# Altium PCB Electronic Load 20251104.PcbDoc (part 4 of 4)
Units mm, origin at the board's own origin, x right, y up, seen from the top; angles counter-clockwise.
Board outline 206 x 70 mm, 6 copper layers (L1, L2, L3, L4, L5, L6), stack 1.609 mm thick; 684 components, 363 nets, 1727 pads, 147 vias.
Unrouted connection lines stored in the file: 1081.
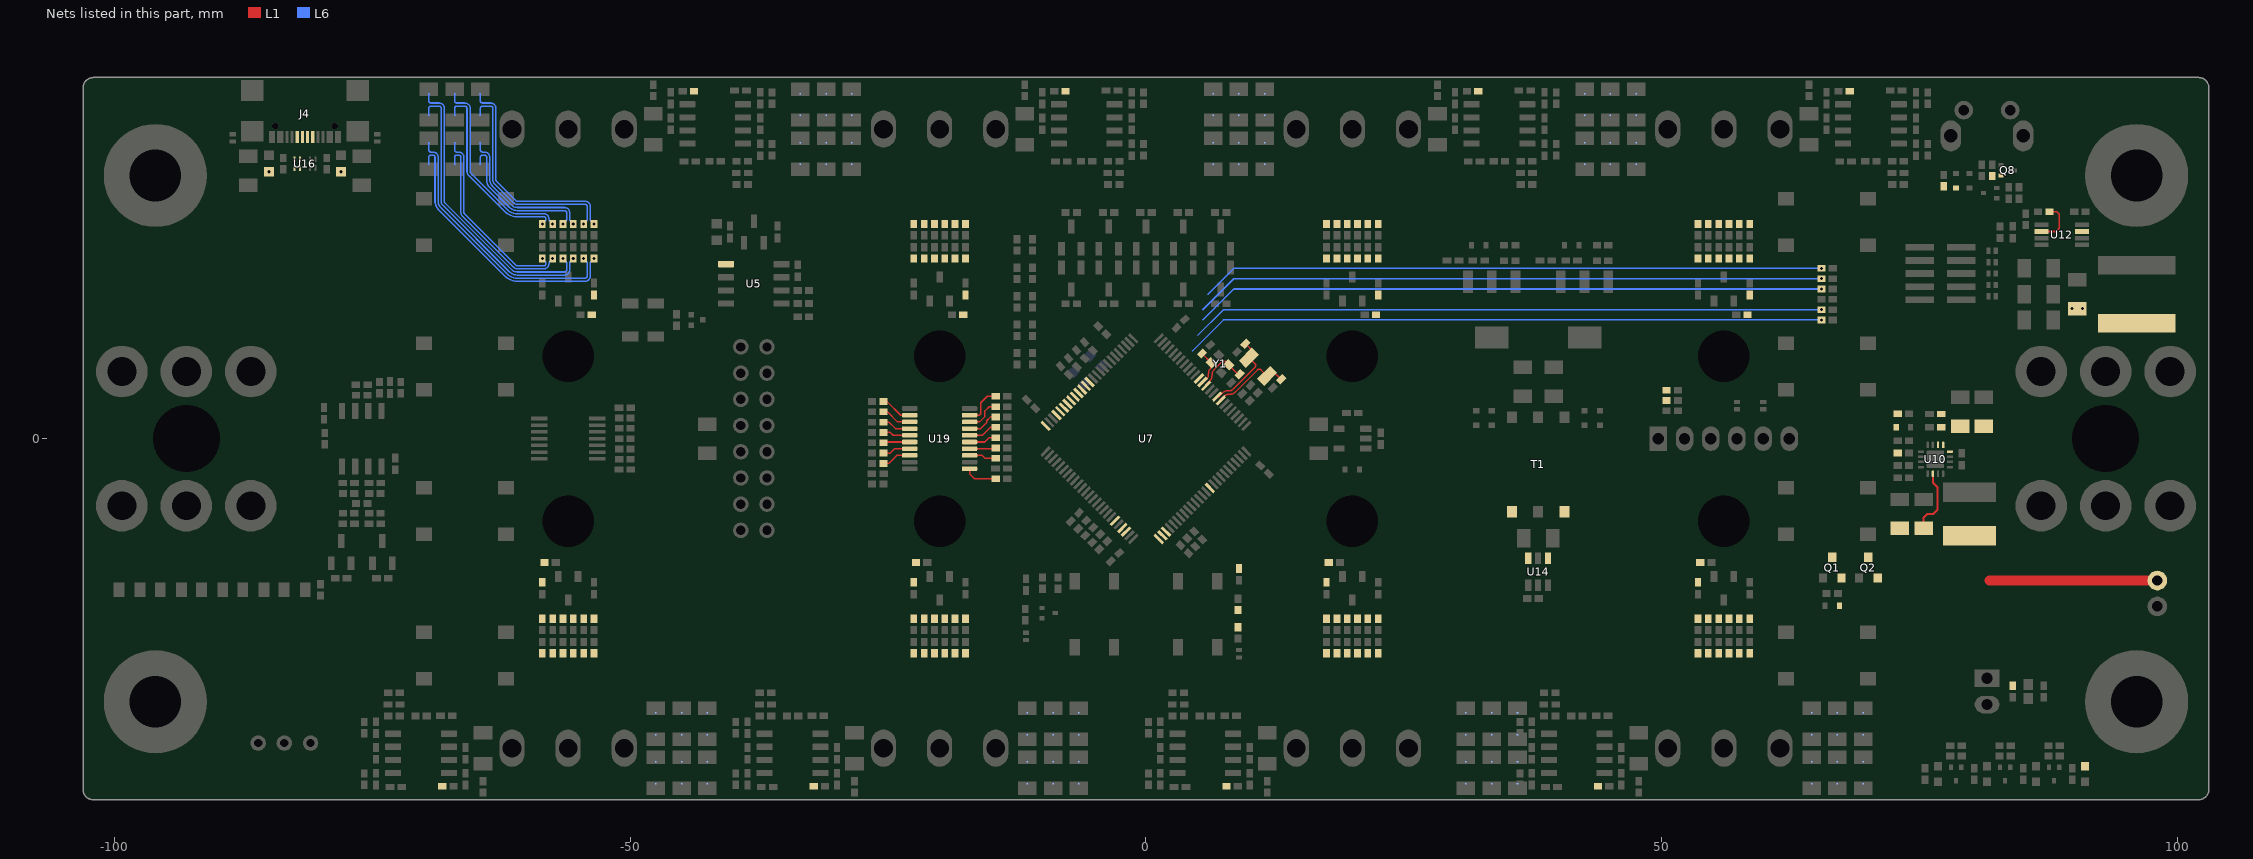
[diagram p5: the nets of this part, all layers, seen from the top]

## Via types
v1: diameter 0.6, hole 0.3, L1 to L6, 147 vias

## Nets (pads, with @x,y where several pads share a name; then routed paths per layer and width w, separated by ;. In a path a pad name is that pad's centre, name@x,y a point inside that pad or via, vN(x,y) a via of type N, cw(c..) or ccw(c..) an arc to the next point about the centre after c; other vN are vias at no path point) (continued)
NetR138_1: R138.1 U19.1 | length 3.3
  L1 w0.15: U19.1@-17.1,-2.925 -17.1,-3.4 -16.6,-3.9 R138.1@-14.525,-3.9
NetR139_2: R139.2 U19.18 | length 2.9
  L1 w0.15: R139.2@-25.45,-2.4 -24.931,-2.4 -24.156,-1.625 U19.18@-22.9,-1.625
NetR140_1: R140.1 U19.3 | length 2.7
  L1 w0.15: U19.3@-17.1,-1.625 -15.875,-1.625 -15.6,-1.9 R140.1@-14.55,-1.9
NetR141_2: R141.2 U19.17 | length 2.7
  L1 w0.15: R141.2@-25.45,-1.4 -24.787,-1.4 -24.362,-0.975 U19.17@-22.9,-0.975
NetR142_1: R142.1 U19.4 | length 2.6
  L1 w0.15: U19.4@-17.1,-0.975 -14.625,-0.975 R142.1@-14.55,-0.9
NetR143_2: R143.2 U19.16 | length 2.6
  L1 w0.15: R143.2@-25.45,-0.4 -25.375,-0.325 U19.16@-22.9,-0.325
NetR144_1: R144.1 U19.5 | length 2.7
  L1 w0.15: U19.5@-17.1,-0.325 -15.615,-0.325 -15.19,0.1 R144.1@-14.55,0.1
NetR145_2: R145.2 U19.15 | length 2.7
  L1 w0.15: R145.2@-25.45,0.6 -24.777,0.6 -24.502,0.325 U19.15@-22.9,0.325
NetR146_1: R146.1 U19.6 | length 2.9
  L1 w0.15: U19.6@-17.1,0.325 -15.847,0.325 -15.072,1.1 R146.1@-14.55,1.1
NetR147_2: R147.2 U19.14 | length 2.8
  L1 w0.15: R147.2@-25.45,1.6 -24.906,1.6 -24.281,0.975 U19.14@-22.9,0.975
NetR148_1: R148.1 U19.7 | length 3.1
  L1 w0.15: U19.7@-17.1,0.975 -16.021,0.975 -15.422,1.574 -15.422,1.735 -15.057,2.1 R148.1@-14.55,2.1
NetR149_2: R149.2 U19.13 | length 3
  L1 w0.15: R149.2@-25.45,2.6 -25.05,2.6 -24.075,1.625 U19.13@-22.9,1.625
NetR150_1: R150.1 U19.8 | length 3.5
  L1 w0.15: U19.8@-17.1,1.625 -16.13,1.625 -15.614,2.14 -15.614,2.686 -15.2,3.1 R150.1@-14.55,3.1
NetR151_2: R151.2 U19.12 | length 3.1
  L1 w0.15: R151.2@-25.45,3.6 -25.1,3.6 -23.775,2.275 U19.12@-22.9,2.275
NetR152_1: R152.1 U19.9 | length 3.9
  L1 w0.15: U19.9@-17.1,2.275 -16.14,2.275 -16.004,2.41 -16.004,3.486 -15.39,4.1 R152.1@-14.55,4.1
NetR180_2: R180.2 U12.6 | length 4.3
  L1 w0.15: U12.6@86.775,20.075 88.175,20.075 88.5,20.4 88.5,21.75 88.25,22 R180.2@87.55,22
NetT1_1: T1.1 U14.3
NetT1_3: T1.3 U14.1
NetU5_1: R33_ICC1.1 R33_ICC2.1 R33_ICC3.1 R33_ICC4.1 R33_ICC5.1 R33_ICC6.1 R33_ICC7.1 R33_ICC8.1 U5.1
OSC32_IN: C38.2 U7.8 Y2.1 | length 7.8
  L1 w0.15: U7.8@7.202,3.758 7.58,4.137 cw(c7.934,3.783) 7.934,4.283 8.068,4.283 ccw(c8.068,5.133) 8.669,4.532 10.801,6.664 cw(c10.978,6.488) 11.155,6.664 Y2.1@11.738,6.081 12.074,6.417 cw(c12.251,6.24) 12.427,6.417 C38.2@13.099,5.745
OSC32_OUT: C37.2 U7.9 Y2.2 | length 7.8
  L1 w0.15: U7.9@6.954,4.006 7.332,4.384 cw(c7.934,3.783) 7.934,4.633 8.068,4.633 ccw(c8.068,5.133) 8.421,4.779 10.554,6.912 ccw(c10.377,7.089) 10.554,7.266 Y2.2@9.97,7.849 10.306,8.185 ccw(c10.129,8.362) 10.306,8.538 C37.2@9.634,9.21
OSC_IN: C35.2 U7.12 Y1.1 | length 5.1
  L1 w0.15: U7.12@5.774,5.187 6.152,5.565 ccw(c5.551,6.166) 6.401,6.166 6.401,6.264 cw(c6.901,6.264) 6.547,6.618 7.372,7.442 cw(c7.548,7.266) 7.725,7.442 Y1.1@8.026,7.142 8.927,6.24 C35.2@9.069,6.24
OSC_OUT: C36.2 U7.13 Y1.3 | length 3.6
  L1 w0.15: C36.2@5.427,8.255 Y1.3@6.329,7.354 6.382,7.301 cw(c6.205,7.124) 6.382,6.947 6.3,6.865 ccw(c6.901,6.264) 6.051,6.264 6.051,6.166 cw(c5.551,6.166) 5.904,5.812 U7.13@5.526,5.434
PMID: C55.2 C67.2 L1.1 Q1.2 Q2.2 Q8.2 R176.1 U10.16 U12.3
  other v1: 89.75,12.6 90.75,12.6
PROG.RST_N: C39.2 R94.1 R95.2 R173.1 U7.14 | length 62.2
  L6 w0.15: 4.5,8.5 7.5,11.5 v1(65.45,11.5)
PROG.SWCLK: R169.1 U7.77 | length 61.2
  L6 w0.15: 5.5,12.5 8.5,15.5 v1(65.45,15.5)
PROG.SWDIO: R168.1 U7.76 | length 60.5
  L6 w0.15: 6,14 8.5,16.5 v1(65.45,16.5)
PROG.SWO: R170.1 U7.90 | length 61.2
  L6 w0.15: 5.5,11.5 8.5,14.5 v1(65.45,14.5)
PROG.TDI: R171.1 U7.78 | length 61.5
  L6 w0.15: 5,10 7.5,12.5 v1(65.45,12.5)
PWR: D31.2 R117.1 U7.70
REGN: C53.2 C64.2 R114.2 U10.2
SHUNT.SH1_CS1_N: NT12_CS1.1 R26_ICC1.2 | length 26.3
  L6 w0.15: NT12_CS1.1@-69.5,26.575 -69.5,27.275 cw(c-69.3,27.275) -69.3,27.475 -69.1,27.475 cw(c-69.1,27.275) -68.9,27.275 -68.9,22.984 ccw(c-67.8,22.984) -68.578,22.206 -62.119,15.748 ccw(c-60.917,16.95) -60.917,15.25 -54.35,15.25 ccw(c-54.35,15.75) -53.85,15.75 -53.85,17.017 cw(c-53.65,17.017) -53.791,17.159 v1(-53.5,17.45)
SHUNT.SH1_CS1_P: NT11_CS1.1 R31_ICC1.2 | length 21.2
  L6 w0.15: NT11_CS1.1@-64.5,31.325 -64.5,32.025 cw(c-64.3,32.025) -64.3,32.225 -63.5,32.225 cw(c-63.5,32.025) -63.3,32.025 -63.3,25.083 ccw(c-62.8,25.083) -63.154,24.729 -61.271,22.846 ccw(c-60.917,23.2) -60.917,22.7 -54.35,22.7 cw(c-54.35,22.5) -54.15,22.5 -54.15,21.233 cw(c-54.35,21.233) -54.208,21.092 v1(-54.5,20.8)
SHUNT.SH1_CS2_N: NT12_CS2.1 R26_ICC2.2
SHUNT.SH1_CS2_P: NT11_CS2.1 R31_ICC2.2
SHUNT.SH1_CS3_N: NT12_CS3.1 R26_ICC3.2
SHUNT.SH1_CS3_P: NT11_CS3.1 R31_ICC3.2
SHUNT.SH1_CS4_N: NT12_CS4.1 R26_ICC4.2
SHUNT.SH1_CS4_P: NT11_CS4.1 R31_ICC4.2
SHUNT.SH1_CS5_N: NT12_CS5.1 R26_ICC5.2
SHUNT.SH1_CS5_P: NT11_CS5.1 R31_ICC5.2
SHUNT.SH1_CS6_N: NT12_CS6.1 R26_ICC6.2
SHUNT.SH1_CS6_P: NT11_CS6.1 R31_ICC6.2
SHUNT.SH1_CS7_N: NT12_CS7.1 R26_ICC7.2
SHUNT.SH1_CS7_P: NT11_CS7.1 R31_ICC7.2
SHUNT.SH1_CS8_N: NT12_CS8.1 R26_ICC8.2
SHUNT.SH1_CS8_P: NT11_CS8.1 R31_ICC8.2
SHUNT.SH2_CS1_N: NT10_CS1.1 R27_ICC1.2 | length 18.7
  L6 w0.15: NT10_CS1.1@-67,26.575 -67,27.275 cw(c-66.8,27.275) -66.8,27.475 -66.6,27.475 cw(c-66.6,27.275) -66.4,27.275 -66.4,21.933 ccw(c-65.9,21.933) -66.254,21.579 -61.271,16.596 ccw(c-60.917,16.95) -60.917,16.45 -58.35,16.45 ccw(c-58.35,16.95) -57.85,16.95 -57.85,17.017 cw(c-57.65,17.017) -57.791,17.159 v1(-57.5,17.45)
SHUNT.SH2_CS1_P: NT9_CS1.1 R32_ICC1.2 | length 18.5
  L6 w0.15: NT9_CS1.1@-67,31.325 -67,32.025 cw(c-66.8,32.025) -66.8,32.225 -66,32.225 cw(c-66,32.025) -65.8,32.025 -65.8,25.886 ccw(c-65.3,25.886) -65.654,25.532 -62.119,21.998 ccw(c-60.917,23.2) -60.917,21.5 -58.35,21.5 cw(c-58.35,21.3) -58.15,21.3 -58.15,21.233 cw(c-58.35,21.233) -58.209,21.091 v1(-58.5,20.8)
SHUNT.SH2_CS2_N: NT10_CS2.1 R27_ICC2.2
SHUNT.SH2_CS2_P: NT9_CS2.1 R32_ICC2.2
SHUNT.SH2_CS3_N: NT10_CS3.1 R27_ICC3.2
SHUNT.SH2_CS3_P: NT9_CS3.1 R32_ICC3.2
SHUNT.SH2_CS4_N: NT10_CS4.1 R27_ICC4.2
SHUNT.SH2_CS4_P: NT9_CS4.1 R32_ICC4.2
SHUNT.SH2_CS5_N: NT10_CS5.1 R27_ICC5.2
SHUNT.SH2_CS5_P: NT9_CS5.1 R32_ICC5.2
SHUNT.SH2_CS6_N: NT10_CS6.1 R27_ICC6.2
SHUNT.SH2_CS6_P: NT9_CS6.1 R32_ICC6.2
SHUNT.SH2_CS7_N: NT10_CS7.1 R27_ICC7.2
SHUNT.SH2_CS7_P: NT9_CS7.1 R32_ICC7.2
SHUNT.SH2_CS8_N: NT10_CS8.1 R27_ICC8.2
SHUNT.SH2_CS8_P: NT9_CS8.1 R32_ICC8.2
SHUNT.SH3_CS1_N: NT8_CS1.1 R28_ICC1.2 | length 14.2
  L6 w0.15: NT8_CS1.1@-64.5,26.575 -64.5,27.275 cw(c-64.3,27.275) -64.3,27.475 -64.1,27.475 cw(c-64.1,27.275) -63.9,27.275 -63.9,25.083 ccw(c-62.8,25.083) -63.578,24.305 -61.695,22.422 ccw(c-60.917,23.2) -60.917,22.1 -56.35,22.1 cw(c-56.35,21.9) -56.15,21.9 -56.15,21.233 cw(c-56.35,21.233) -56.209,21.091 v1(-56.5,20.8)
SHUNT.SH3_CS1_P: NT7_CS1.1 R35_ICC1.2 | length 28.1
  L6 w0.15: NT7_CS1.1@-69.5,31.325 -69.5,32.025 cw(c-69.3,32.025) -69.3,32.225 -68.5,32.225 cw(c-68.5,32.025) -68.3,32.025 -68.3,22.984 ccw(c-67.8,22.984) -68.154,22.631 -61.695,16.172 ccw(c-60.917,16.95) -60.917,15.85 -56.35,15.85 ccw(c-56.35,16.35) -55.85,16.35 -55.85,17.017 cw(c-55.65,17.017) -55.791,17.159 v1(-55.5,17.45)
SHUNT.SH3_CS2_N: NT8_CS2.1 R28_ICC2.2
SHUNT.SH3_CS2_P: NT7_CS2.1 R35_ICC2.2
SHUNT.SH3_CS3_N: NT8_CS3.1 R28_ICC3.2
SHUNT.SH3_CS3_P: NT7_CS3.1 R35_ICC3.2
SHUNT.SH3_CS4_N: NT8_CS4.1 R28_ICC4.2
SHUNT.SH3_CS4_P: NT7_CS4.1 R35_ICC4.2
SHUNT.SH3_CS5_N: NT8_CS5.1 R28_ICC5.2
SHUNT.SH3_CS5_P: NT7_CS5.1 R35_ICC5.2
SHUNT.SH3_CS6_N: NT8_CS6.1 R28_ICC6.2
SHUNT.SH3_CS6_P: NT7_CS6.1 R35_ICC6.2
SHUNT.SH3_CS7_N: NT8_CS7.1 R28_ICC7.2
SHUNT.SH3_CS7_P: NT7_CS7.1 R35_ICC7.2
SHUNT.SH3_CS8_N: NT8_CS8.1 R28_ICC8.2
SHUNT.SH3_CS8_P: NT7_CS8.1 R35_ICC8.2
SHUNT.SH4_CS1_N: NT6_CS1.1 R29_ICC1.2 | length 27.7
  L6 w0.15: NT6_CS1.1@-69.5,33.425 -69.5,32.725 ccw(c-69.3,32.725) -69.3,32.525 -68.5,32.525 cw(c-68.5,32.025) -68,32.025 -68,22.984 ccw(c-67.8,22.984) -67.941,22.843 -61.483,16.384 ccw(c-60.917,16.95) -60.917,16.15 -56.35,16.15 ccw(c-56.35,16.35) -56.15,16.35 -56.15,17.017 ccw(c-56.35,17.017) -56.209,17.159 v1(-56.5,17.45)
SHUNT.SH4_CS1_P: NT5_CS1.1 R36_ICC1.2 | length 25.9
  L6 w0.15: NT5_CS1.1@-69.5,28.675 -69.5,27.975 ccw(c-69.3,27.975) -69.3,27.775 -69.1,27.775 cw(c-69.1,27.275) -68.6,27.275 -68.6,22.984 ccw(c-67.8,22.984) -68.366,22.419 -61.907,15.96 ccw(c-60.917,16.95) -60.917,15.55 -54.35,15.55 ccw(c-54.35,15.75) -54.15,15.75 -54.15,17.017 ccw(c-54.35,17.017) -54.208,17.158 v1(-54.5,17.45)
SHUNT.SH4_CS2_N: NT6_CS2.1 R29_ICC2.2
SHUNT.SH4_CS2_P: NT5_CS2.1 R36_ICC2.2
SHUNT.SH4_CS3_N: NT6_CS3.1 R29_ICC3.2
SHUNT.SH4_CS3_P: NT5_CS3.1 R36_ICC3.2
SHUNT.SH4_CS4_N: NT6_CS4.1 R29_ICC4.2
SHUNT.SH4_CS4_P: NT5_CS4.1 R36_ICC4.2
SHUNT.SH4_CS5_N: NT6_CS5.1 R29_ICC5.2
SHUNT.SH4_CS5_P: NT5_CS5.1 R36_ICC5.2
SHUNT.SH4_CS6_N: NT6_CS6.1 R29_ICC6.2
SHUNT.SH4_CS6_P: NT5_CS6.1 R36_ICC6.2
SHUNT.SH4_CS7_N: NT6_CS7.1 R29_ICC7.2
SHUNT.SH4_CS7_P: NT5_CS7.1 R36_ICC7.2
SHUNT.SH4_CS8_N: NT6_CS8.1 R29_ICC8.2
SHUNT.SH4_CS8_P: NT5_CS8.1 R36_ICC8.2
SHUNT.SH5_CS1_N: NT4_CS1.1 R3_ICC1.2 | length 19
  L6 w0.15: NT4_CS1.1@-67,33.425 -67,32.725 ccw(c-66.8,32.725) -66.8,32.525 -66,32.525 cw(c-66,32.025) -65.5,32.025 -65.5,25.886 ccw(c-65.3,25.886) -65.441,25.744 -61.907,22.21 ccw(c-60.917,23.2) -60.917,21.8 -58.35,21.8 cw(c-58.35,21.3) -57.85,21.3 -57.85,21.233 ccw(c-57.65,21.233) -57.791,21.091 v1(-57.5,20.8)
SHUNT.SH5_CS1_P: NT3_CS1.1 R4_ICC1.2 | length 18.2
  L6 w0.15: NT3_CS1.1@-67,28.675 -67,27.975 ccw(c-66.8,27.975) -66.8,27.775 -66.6,27.775 cw(c-66.6,27.275) -66.1,27.275 -66.1,21.933 ccw(c-65.9,21.933) -66.041,21.791 -61.059,16.809 ccw(c-60.917,16.95) -60.917,16.75 -58.35,16.75 ccw(c-58.35,16.95) -58.15,16.95 -58.15,17.017 ccw(c-58.35,17.017) -58.209,17.159 v1(-58.5,17.45)
SHUNT.SH5_CS2_N: NT4_CS2.1 R3_ICC2.2
SHUNT.SH5_CS2_P: NT3_CS2.1 R4_ICC2.2
SHUNT.SH5_CS3_N: NT4_CS3.1 R3_ICC3.2
SHUNT.SH5_CS3_P: NT3_CS3.1 R4_ICC3.2
SHUNT.SH5_CS4_N: NT4_CS4.1 R3_ICC4.2
SHUNT.SH5_CS4_P: NT3_CS4.1 R4_ICC4.2
SHUNT.SH5_CS5_N: NT4_CS5.1 R3_ICC5.2
SHUNT.SH5_CS5_P: NT3_CS5.1 R4_ICC5.2
SHUNT.SH5_CS6_N: NT4_CS6.1 R3_ICC6.2
SHUNT.SH5_CS6_P: NT3_CS6.1 R4_ICC6.2
SHUNT.SH5_CS7_N: NT4_CS7.1 R3_ICC7.2
SHUNT.SH5_CS7_P: NT3_CS7.1 R4_ICC7.2
SHUNT.SH5_CS8_N: NT4_CS8.1 R3_ICC8.2
SHUNT.SH5_CS8_P: NT3_CS8.1 R4_ICC8.2
SHUNT.SH6_CS1_N: NT2_CS1.1 R7_ICC1.2 | length 21.7
  L6 w0.15: NT2_CS1.1@-64.5,33.425 -64.5,32.725 ccw(c-64.3,32.725) -64.3,32.525 -63.5,32.525 cw(c-63.5,32.025) -63,32.025 -63,25.083 ccw(c-62.8,25.083) -62.941,24.941 -61.059,23.059 ccw(c-60.917,23.2) -60.917,23 -54.35,23 cw(c-54.35,22.5) -53.85,22.5 -53.85,21.233 ccw(c-53.65,21.233) -53.791,21.091 v1(-53.5,20.8)
SHUNT.SH6_CS1_P: NT1_CS1.1 R8_ICC1.2 | length 14.7
  L6 w0.15: NT1_CS1.1@-64.5,28.675 -64.5,27.975 ccw(c-64.3,27.975) -64.3,27.775 -64.1,27.775 cw(c-64.1,27.275) -63.6,27.275 -63.6,25.083 ccw(c-62.8,25.083) -63.366,24.517 -61.483,22.634 ccw(c-60.917,23.2) -60.917,22.4 -56.35,22.4 cw(c-56.35,21.9) -55.85,21.9 -55.85,21.233 ccw(c-55.65,21.233) -55.791,21.091 v1(-55.5,20.8)
SHUNT.SH6_CS2_N: NT2_CS2.1 R7_ICC2.2
SHUNT.SH6_CS2_P: NT1_CS2.1 R8_ICC2.2
SHUNT.SH6_CS3_N: NT2_CS3.1 R7_ICC3.2
SHUNT.SH6_CS3_P: NT1_CS3.1 R8_ICC3.2
SHUNT.SH6_CS4_N: NT2_CS4.1 R7_ICC4.2
SHUNT.SH6_CS4_P: NT1_CS4.1 R8_ICC4.2
SHUNT.SH6_CS5_N: NT2_CS5.1 R7_ICC5.2
SHUNT.SH6_CS5_P: NT1_CS5.1 R8_ICC5.2
SHUNT.SH6_CS6_N: NT2_CS6.1 R7_ICC6.2
SHUNT.SH6_CS6_P: NT1_CS6.1 R8_ICC6.2
SHUNT.SH6_CS7_N: NT2_CS7.1 R7_ICC7.2
SHUNT.SH6_CS7_P: NT1_CS7.1 R8_ICC7.2
SHUNT.SH6_CS8_N: NT2_CS8.1 R7_ICC8.2
SHUNT.SH6_CS8_P: NT1_CS8.1 R8_ICC8.2
STAT: D12.2 R121.2 U7.50
TEMP.T1: C19_PT1.2 R83_PT1.1 U7.38
TEMP.T2: C19_PT2.2 R83_PT2.1 U7.39
TEMP.T3: C19_PT3.2 R83_PT3.1 U7.40
TEMP.T4: C19_PT4.2 R83_PT4.1 U7.41
TEMP.T5: C19_PT5.2 R83_PT5.1 U7.42
TEMP.T6: C19_PT6.2 R83_PT6.1 U7.43
TEMP.T7: C19_PT7.2 R83_PT7.1 U7.44
TEMP.T8: C19_PT8.2 R83_PT8.1 U7.45
UART.RXD: R175.2 U7.46
UART.TXD: R174.2 U7.47
USB.D_N: J4.A7 J4.B7 U7.72 U16.2 U16.9
USB.D_P: J4.A6 J4.B6 U7.73 U16.1 U16.10
VBATT: C68.2 C69.2 J3.1 L2.1 Q1.3 Q2.3 U10.10 | length 22.6
  L1 w0.2: C69.2@75.35,-8.7 75.35,-7.65 75.7,-7.3 76.3,-7.3 76.7,-6.9 76.7,-4.7 76.25,-4.25 U10.10@76.25,-3.4
  L1 w1: 81.75,-13.75 J3.1@98,-13.75
VUSB: C66.2 D3.2 D29.A FB3.2 FB4.2 R113.2 U10.1
  other v1: -85,25.86 -78,25.86
pads on no net: J1.7 J2.7 J4. J4.A8 J4.B8 J6.2 J6.6 U7.3 U7.4 U7.26 U7.28 U7.29 U7.32 U7.33 U7.34 U7.51 U7.52 U7.53 U7.54 U7.60 U7.61 U7.62 U7.69 U7.91 U7.92 U7.93 U7.94 U7.96 U7.97 U7.98 U18.6 U18.9

## Other copper
L1:
  region net COM: 86.1,10.6 86.1,19 89.8,19 89.8,16.05 91.15,16.05 91.15,13.5 89.1,13.5 89.1,11.15 88.55,10.6
  region net PMID: 67,-13.95 67.8,-13.95 67.8,-12.8 70.5,-12.8 70.5,-13.95 71.3,-13.95 71.3,-12.8 82.7,-12.8 84,-11.5 84,6.5 cw(c86.75,6.5) 86.75,9.25 99.25,9.25 100.5,10.5 100.5,18.5 ccw(c99.25,18.5) 99.25,19.75 92.5,19.75 91.95,20.3 90.05,20.3 90.05,19.85 91.65,19.85 91.65,19.25 99.25,19.25 cw(c99.25,18.5) 100,18.5 100,15.65 91.4,15.65 91.4,13.25 89.35,13.25 89.35,11.046 88.654,10.35 83.35,10.35 82.35,9.35 82.35,1.85 80.175,1.85 80.175,0.25 cw(c79.925,0.25) 79.925,0 78.75,0 ccw(c78.75,-1) 77.753,-0.92 cw(c77.504,-0.9) 77.626,-1.118 ccw(c77.65,-1.162) 77.6,-1.162 77.6,-1.32 ccw(c77.65,-1.32) 77.65,-1.37 78.5,-1.37 78.5,-1 cw(c78.75,-1) 78.75,-0.75 79.6,-0.75 79.6,-1.9 80.356,-1.9 82.602,-4.146 82.602,-10.6 77.356,-10.6 75.756,-12.2 67,-12.2
  region net VBATT: 66.1,-11.95 66.1,-11.05 70.95,-11.05 72.15,-9.85 72.15,-8.05 76.25,-8.05 76.65,-8.45 82.352,-8.45 82.352,-10.35 77.252,-10.35 75.652,-11.95
  region net VUSB: 77.13,-0.85 ccw(c77.18,-0.85) 77.18,-0.9 77.504,-0.9 cw(c78.75,-1) 78.75,0.25 79.925,0.25 79.925,1.85 78,1.85 78,0.815 77.13,-0.055
  region net REGN: 76.63,-0.85 ccw(c76.68,-0.85) 76.68,-0.9 76.82,-0.9 ccw(c76.82,-0.85) 76.87,-0.85 76.87,-0.051 cw(c77.12,-0.051) 76.943,0.126 77.5,0.683 77.5,2.7 76.63,2.7
  region net NetC65_1: 77.252,-6.15 77.252,-4.25 77.426,-4.25 77.62,-4.056 77.62,-2.918 77.6,-2.898 77.6,-2.18 cw(c77.65,-2.18) 77.65,-2.13 78.73,-2.13 78.75,-2.15 80.252,-2.15 82.352,-4.25 82.352,-6.15
  region net NetL1_2: 90.05,16.3 90.05,19 99.25,19 cw(c99.25,18.5) 99.75,18.5 99.75,15.9 91.4,15.9 91.4,16.3
  region: -48.65,27.85 -48.65,29.665 cw(c-48.15,29.665) -48.15,30.165 -46.535,30.165 -46.35,30.35 -45.75,30.35 -45.565,30.165 -44.45,30.165 -44.45,29.565 -45.685,29.565 -45.75,29.5 -46.35,29.5 ccw(c-46.35,29) -46.85,29 -46.85,27.85
  region net NetQ4_PT1_1: -51.78,30 -51.78,31.15 cw(c-50.78,31.15) -50.78,32.15 -46.85,32.15 -46.85,30.85 -48.15,30.85 ccw(c-48.15,29.665) -49.287,30
  region net +5V0: 84.45,10.6 84.45,18.65 84.55,18.75 84.55,19.65 87.45,19.65 87.45,19.2 86.1,19.2 86.05,19.25 85.85,19.25 85.85,10.6
  region net NetC14_ICC1_1: -46.35,30.65 -46.35,31.5 -45.75,31.5 -45.685,31.435 -44.45,31.435 -44.45,30.835 -45.565,30.835 -45.75,30.65
  region net NetNT1_CS1_2: -70.4,28.2 -70.4,31.8 -61.44,31.8 -61.44,28.2
L2:
  rectangle net COM: -107,-37.5 107,39

## Silkscreen, mask and mechanical layers (free items; w line width, h text height)
Top Overlay:
  lines w0.3: -101,-12 -99,-12 ; -101,12 -99,12 ; -100,-13 -100,-11 ; -100,11 -100,13 ; -98,-12 -96,-12 ; -98,12 -96,12 ; -97,-13 -97,-11 ; -97,11 -97,13 ; -95,-12 -93,-12 ; -95,12 -93,12 ; -94,-13 -94,-11 ; -94,11 -94,13 ; -92,-12 -90,-12 ; -92,12 -90,12 ; -91,-13 -91,-11 ; -91,11 -91,13 ; -89,-12 -87,-12 ; -89,12 -87,12 ; -88,-13 -88,-11 ; -88,11 -88,13 ; -86,-12 -84,-12 ; -86,12 -84,12 ; -85,-13 -85,-11 ; -85,11 -85,13 ; -83,-12 -81,-12 ; -83,-9 -81,-9 ; -83,-6 -81,-6 ; -83,-3 -81,-3 ; -83,0 -81,0 ; -83,3 -81,3 ; -83,6 -81,6 ; -83,9 -81,9 ; -83,12 -81,12 ; -82,-13 -82,-11 ; -82,-10 -82,-8 ; -82,-7 -82,-5 ; -82,-4 -82,-2 ; -82,-1 -82,1 ; -82,2 -82,4 ; -82,5 -82,7 ; -82,8 -82,10 ; -82,11 -82,13 ; 85,-16.5 87,-16.5 ; 85,-13.5 87,-13.5 ; 86,-14.5 86,-12.5 ; 88,-18.874 72,-18.937 72,-11.063 88,-11
  text "ON/OFF" at 86.7,31.316 h1.2
  text "PT1" at -57.914,24 h2
  text "PT3" at -22.342,24 h2
  text "PT5" at 17.658,24 h2
  text "PT7" at 53.658,24 h2
  text "DC Electronic Load" at -100.5,16.323 h4
  text "Rev A | Nov 2025 | JFOSTER" at -100.3,14.4 h1.2
  text "BK-" at -45.365,8.29 h1.2
  text "DB7" at -33.8,8.29 h1.2
  text "SWD PROG" at 72.675,7.4 h1.2
  text "BK+" at -45.365,5.75 h1.2
  text "DB6" at -33.8,5.75 h1.2
  text "CT" at -44.194,3.21 h1.2
  text "DB5" at -33.8,3.21 h1.2
  text "COM" at -47.502,0.67 h1.2
  text "DB4" at -33.8,0.67 h1.2
  text "+5V0" at -48.519,-1.87 h1.2
  text "DB3" at -33.8,-1.87 h1.2
  text "RS" at -44.068,-4.41 h1.2
  text "DB2" at -33.8,-4.41 h1.2
  text "R/W" at -45.291,-6.864 h1.2
  text "DB1" at -33.8,-6.95 h1.2
  text "E" at -42.943,-9.49 h1.2
  text "DB0" at -33.8,-9.49 h1.2
  text "1S LIPO" at 75.8,-15.75 h1.5
  text "BOOT0" at -7.599,-23.1 h1.2
  text "RST" at 3.532,-23.1 h1.2
  text "3380K" at 74.027,-25.1 h1.2
  text "PT2" at -58.342,-26 h2
  text "PT4" at -22.39,-26 h2
  text "PT6" at 17.705,-26 h2
  text "PT8" at 53.658,-26 h2
  text "LCD CONTRAST" at -89.807,-26.1 h1.2
Board Outline:
  circle w0.25: c96,-25.5 r2.5
  circle w0.25: c96,25.5 r2.5
  circle w0.25: c-96,25.5 r2.5
  circle w0.25: c-96,-25.5 r2.5
  circle w0.25: c-56,8 r2.5
  circle w0.25: c-56,-8 r2.5
  circle w0.25: c20,8 r2.5
  circle w0.25: c20,-8 r2.5
  circle w0.25: c56,-8 r2.5
  circle w0.25: c-20,-8 r2.5
  circle w0.25: c-20,8 r2.5
  circle w0.25: c56,8 r2.5
  lines w0.025: -106,-34 ccw(c-102,-34) -102,-38 102,-38 ccw(c102,-34) 106,-34 106,34 ccw(c102,34) 102,38 -102,38 ccw(c-102,34) -106,34 -106,-34 ; -103,-34 ccw(c-102,-34) -102,-35 102,-35 ccw(c102,-34) 103,-34 103,34 ccw(c102,34) 102,35 -102,35 ccw(c-102,34) -103,34 -103,-34
  text "Stackup JLC061611-7628" at -100.217,-46.034 h5
  text "SIG" at -91.785,-54.2 h5
  text "COM" at -93.879,-61.45 h5
  text "HV" at -91.261,-68.7 h5
  text "RTN" at -92.356,-77.2 h5
  text "COM" at -94.379,-86.2 h5
  text "SIG" at -91.785,-93.7 h5
Keepout Conductive:
  circle w0.15: c-86.75,6.5 r6.5
  circle w0.15: c-86.75,-6.5 r6.5
  circle w0.1: c-56,30 r6.5
Construction:
  lines w0.1: -120,-8 120,-8 ; -120,8 120,8 ; -106,-38 106,38 ; -106,38 106,-38 ; -56,-60 -56,60 ; -56,-8 -20,8 ; -56,8 -20,-8 ; -20,-60 -20,60 ; 20,-60 20,60 ; 56,-60 56,60
Keepout Mechanical:
  lines w0.1: 72,-18.937 72,-11.063 88.602,-11.063 88.602,-18.937 72,-18.937
  text "JST Connector" at 75.345,-15.5 h1
User Interface:
  lines w0.02: -86.39,40.82 -76.61,40.82 ; -85.97,42.5 -77.03,42.5 ; -81.5,42.25 -81.5,42.75 ; -84.39,40.67 cw(c-84.39,42.5) -84.39,44.33 -78.61,44.33 cw(c-78.61,42.5) -78.61,40.67 -84.39,40.67 ; -84.39,40.92 cw(c-84.39,42.5) -84.39,44.08 -78.61,44.08 cw(c-78.61,42.5) -78.61,40.92 -84.39,40.92
  lines w0.1: -85.97,39 -85.97,40 ; -85.97,39.5 -77.03,39.5 ; -81.5,31.654 -81.5,39.5 ; -77.03,39 -77.03,40 ; -49,-30 49,-30 49,30 -49,30 -49,-30
  text "Front Panel Cutout" at -84.685,44.63 h0.5
  text "PCB Top Edge to Button" at 77.245,40.967 h0.5
  text "4.01 mm" at 79.994,40.05 h0.5
  text "PCB Top Edge" at -83.947,40.02 h0.5
Bottom 3D Body:
  circle w0.1: c-56,-8 r1.9
  circle w0.1: c-56,8 r1.9
  circle w0.1: c-20,8 r1.9
  circle w0.1: c-20,-8 r1.9
  circle w0.1: c20,-8 r1.9
  circle w0.1: c20,8 r1.9
  circle w0.1: c56,8 r1.9
  circle w0.1: c56,-8 r1.9
  lines w0.1: -62.545,-23.15 -62.545,-27.45 -60.335,-27.45 -60.335,-23.15 ; -62.545,23.15 -62.545,27.45 -60.335,27.45 -60.335,23.15 ; -57.605,-23.15 -57.605,-27.45 ; -57.605,23.15 -57.605,27.45 ; -54.395,-23.15 -54.395,-27.45 -57.605,-27.45 ; -54.395,23.15 -54.395,27.45 -57.605,27.45 ; -51.665,-23.15 -51.665,-27.45 -49.455,-27.45 -49.455,-23.15 ; -51.665,23.15 -51.665,27.45 -49.455,27.45 ; -45.45,27.795 -41.15,27.795 ; -26.545,-23.15 -26.545,-27.45 -24.335,-27.45 -24.335,-23.15 ; -26.545,23.15 -26.545,27.45 -24.335,27.45 -24.335,23.15 ; -21.605,-23.15 -21.605,-27.45 ; -21.605,23.15 -21.605,27.45 ; -18.395,-23.15 -18.395,-27.45 -21.605,-27.45 ; -18.395,23.15 -18.395,27.45 -21.605,27.45 ; -15.665,-23.15 -15.665,-27.45 -13.455,-27.45 -13.455,-23.15 ; -15.665,23.15 -15.665,27.45 -13.455,27.45 -13.455,23.15 ; 13.455,-23.15 13.455,-27.45 15.665,-27.45 15.665,-23.15 ; 13.455,23.15 13.455,27.45 15.665,27.45 15.665,23.15 ; 18.395,-23.15 18.395,-27.45 ; 18.395,23.15 18.395,27.45 ; 21.605,-23.15 21.605,-27.45 18.395,-27.45 ; 21.605,23.15 21.605,27.45 18.395,27.45 ; 24.335,-23.15 24.335,-27.45 26.545,-27.45 26.545,-23.15 ; 24.335,23.15 24.335,27.45 26.545,27.45 26.545,23.15 ; 49.455,-23.15 49.455,-27.45 51.665,-27.45 51.665,-23.15 ; 49.455,23.15 49.455,27.45 51.665,27.45 51.665,23.15 ; 54.395,-23.15 54.395,-27.45 ; 54.395,23.15 54.395,27.45 ; 57.605,-23.15 57.605,-27.45 54.395,-27.45 ; 57.605,23.15 57.605,27.45 54.395,27.45 ; 60.335,-23.15 60.335,-27.45 62.545,-27.45 62.545,-23.15 ; 60.335,23.15 60.335,27.45 62.545,27.45 62.545,23.15 ; -57.605,-27.45 -57.605,-27.45 ; -57.605,27.45 -57.605,27.45 ; -21.605,-27.45 -21.605,-27.45 ; -21.605,27.45 -21.605,27.45 ; 18.395,-27.45 18.395,-27.45 ; 18.395,27.45 18.395,27.45 ; 54.395,-27.45 54.395,-27.45 ; 54.395,27.45 54.395,27.45 ; -64.05,-23.15 -64.05,-1.85 -47.95,-1.85 -47.95,-23.15 -64.05,-23.15 ; -64.05,1.85 -47.95,1.85 -47.95,23.15 -64.05,23.15 -64.05,1.85 ; -28.05,-23.15 -28.05,-1.85 -11.95,-1.85 -11.95,-23.15 -28.05,-23.15 ; -28.05,1.85 -11.95,1.85 -11.95,23.15 -28.05,23.15 -28.05,1.85 ; 11.95,-23.15 11.95,-1.85 28.05,-1.85 28.05,-23.15 11.95,-23.15 ; 11.95,1.85 28.05,1.85 28.05,23.15 11.95,23.15 11.95,1.85 ; 47.95,-23.15 47.95,-1.85 64.05,-1.85 64.05,-23.15 47.95,-23.15 ; 47.95,1.85 47.95,23.15 64.05,23.15 64.05,1.85 47.95,1.85
Top Courtyard:
  drawing of 326 lines, arcs and shapes, not listed
Mechanical 101:
  drawing of 169 lines, arcs and shapes, not listed

## Text inside footprints (layer, text, board x,y; h text height)
J4: Mechanical 100 "Edge of connector" at -75.156,36.216 h1 r180
Q4_PT1: Bottom Courtyard "Thermal Interface" at -53.121,31.774 h0.5
Q4_PT2: Bottom Courtyard "Thermal Interface" at -58.879,-31.774 h0.5 r180
Q4_PT3: Bottom Courtyard "Thermal Interface" at -17.121,31.774 h0.5
Q4_PT4: Bottom Courtyard "Thermal Interface" at -22.879,-31.774 h0.5 r180
Q4_PT5: Bottom Courtyard "Thermal Interface" at 22.879,31.774 h0.5
Q4_PT6: Bottom Courtyard "Thermal Interface" at 17.121,-31.774 h0.5 r180
Q4_PT7: Bottom Courtyard "Thermal Interface" at 58.879,31.774 h0.5
Q4_PT8: Bottom Courtyard "Thermal Interface" at 53.121,-31.774 h0.5 r180
SW2: Top Courtyard "Button Tip" at 83.214,35.473 h0.5 r180; Top Courtyard "Bump" at 82.402,34.533 h0.5 r180